# Altium PCB SVEC.pcbdoc (part 13 of 18)
Units mil, origin at the board's own origin, x right, y up, seen from the top; angles counter-clockwise.
Board outline 6349.25 x 9237.04 mil, 10 copper layers (Top Layer, L2 GND, L3, L4 PWR3.3, L5, L6, L7 GND, L8, L9 PWR, Bottom Layer), stack 58.268 mil thick; 906 components, 904 nets, 4753 pads, 3116 vias.
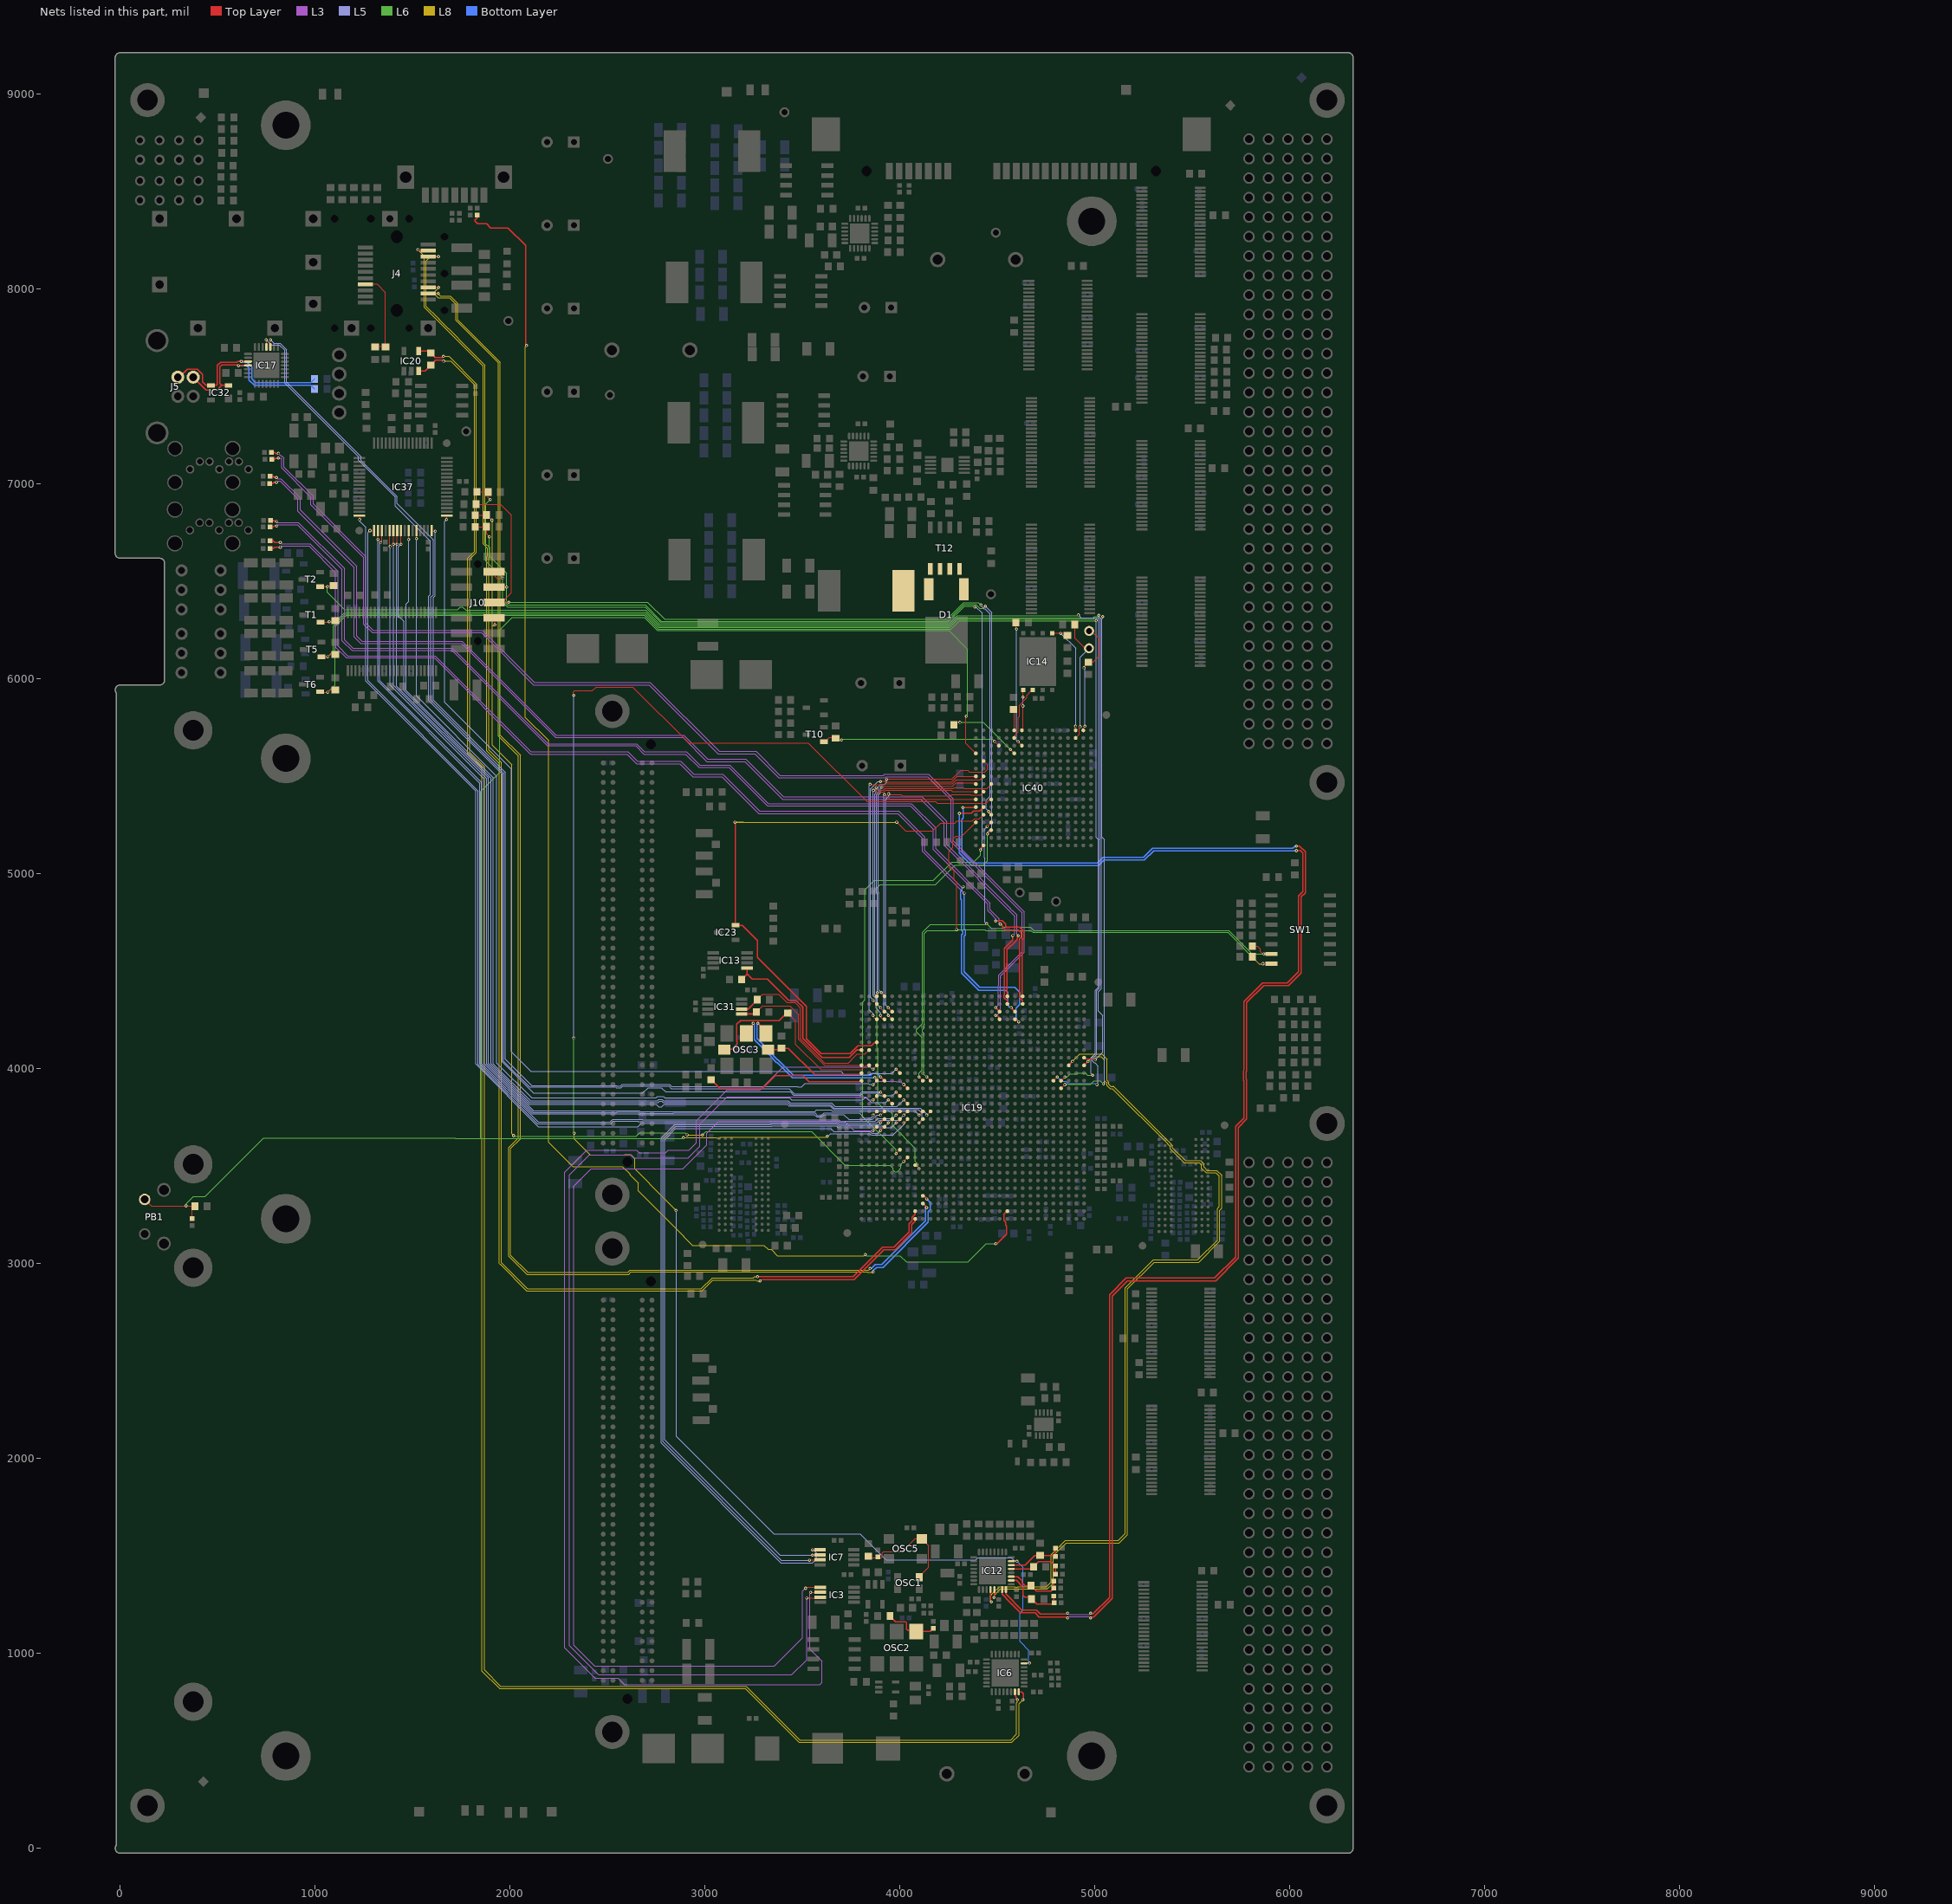
[diagram p21: the nets of this part, all layers, seen from the top]

## Via types
v1: diameter 15.75, hole 7.87, Top Layer to Bottom Layer, tented both sides, 2844 vias
v2: diameter 31.5, hole 15.75, Top Layer to Bottom Layer, tented both sides, 224 vias
v3: diameter 19.68, hole 7.87, Top Layer to Bottom Layer, tented both sides, 31 vias
v4: diameter 15.75, hole 7.87, Top Layer to Bottom Layer, 17 vias

## Nets (pads, with @x,y where several pads share a name; then routed paths per layer and width w, separated by ;. In a path a pad name is that pad's centre, name@x,y a point inside that pad or via, vN(x,y) a via of type N, cw(c..) or ccw(c..) an arc to the next point about the centre after c; other vN are vias at no path point) (continued)
PCIE_TX1_P: C348.2 IC19.B11 | length 7825
  Top Layer w6: C348.2@1830.69,8379.92 1830.69,8364.51 1820.19,8354.01 1820.19,8347.64 1833.19,8334.64 1879.49,8334.64 1900.59,8313.54 1988.79,8313.54 2079.69,8222.64 2079.69,8167.64 2080.69,8166.64 2080.69,7713.64 v1(2084.69,7709.64) ; v1(4491.69,3102.39) 4497.44,3102.39 4545.69,3150.64 4545.69,3193.84 4541.53,3198 4541.53,3211.83 4536.85,3216.51 4536.72,3216.51 4536.72,3219.61 4533.88,3222.45 4533.88,3252.17 IC19.B11@4550.72,3269.01
  L6 w4: v1(3821.69,3046.51) 3827.56,3040.64 4000.83,3040.64 4032.83,3008.64 4348.69,3008.64 4442.44,3102.39 v1(4491.69,3102.39)
  L8 w4: v1(2084.69,7709.64) 2079.25,7704.2 2079.25,5802.64 2198.55,5683.34 2198.55,3621.77 2322.69,3497.64 2576.66,3497.64 2615.17,3459.13 2615.17,3456.3 2658.07,3413.4 2658.07,3372.23 2891.17,3139.13 ; 2889.76,3139.71 2935.33,3094.14 3302.33,3094.14 3323.83,3072.64 3339.83,3072.64 3371.83,3040.64 3815.81,3040.64 v1(3821.69,3046.51)
PLL20DAC_DIN: IC3.7 IC19.U28 | length 5950.6
  Top Layer w4: v1(3521.55,1285.51) 3588.24,1285.51 IC3.7@3590.94,1288.21 ; v1@3863.55,3840.51 3863.55,3841.69 IC19.U28@3881.43,3859.56
  L3 w4: v1(3521.55,1285.51) 3521.55,967.51 3445.55,891.51 2453.55,891.51 2304.55,1040.51 2304.55,3455.51 2407.67,3558.62 2620.38,3558.62 2636.5,3542.51 2912.55,3542.51 2972.68,3602.63 2972.68,3715.63 3112.55,3855.51 3823.55,3855.51 3838.55,3840.51 v1@3863.55,3840.51
  other v1: 3861.74,3839.88
PLL20DAC_SCLK: IC3.6 IC19.AA28 | length 6296.1
  Top Layer w4: v1(3541.55,1313.51) 3541.85,1313.8 IC3.6@3590.94,1313.8 ; v1@3860.55,3996.51 3860.55,3995.51 3861.55,3994.51 3861.55,3997.17 IC19.AA28@3881.43,4017.04
  L3 w4: v1@3538.55,1311.51 3538.55,1021.51 3600.43,959.63 3600.43,850.76 3589.3,839.63 2587.05,839.63 2554.3,872.38 2436.66,872.38 2280.55,1028.49 2280.55,3467.66 2394.24,3581.34 2649.64,3581.34 2661.97,3569.01 2798.75,3569.01 2803.44,3573.69 2803.44,3574.04 2811.57,3582.17 2917.82,3582.17 2955.68,3620.03 2955.68,3733.63 3112.55,3890.51 3282.55,3890.51 3399.55,4007.51 3846.55,4007.51 3857.55,3996.51 v1@3860.55,3996.51
  other v1: 3861.74,3997.36
PLL20DAC_SYNC_N: IC3.5 IC19.N28 | length 5725.5
  Top Layer w5: v1(3515.55,1334.51) 3520.44,1339.39 IC3.5@3590.94,1339.39 ; v1@3860.55,3681.51 3860.85,3681.51 IC19.N28@3881.43,3702.08
  L3 w5: v1(3515.55,1334.51) 3500.55,1319.51 3500.55,1080.51 3355.55,935.51 2433.55,935.51 2327.55,1041.51 2327.55,3398.51 2415.99,3486.94 2885.99,3486.94 3008.55,3609.51 3008.55,3668.51 3069.55,3729.51 3715.55,3729.51 3763.55,3681.51 v1@3860.55,3681.51
  other v1: 3861.74,3682.4
PLL25DAC_DIN: IC7.7 IC19.P25 | length 3870
  Top Layer w4: v1(3535.55,1478.51) 3537.25,1480.21 IC7.7@3589.94,1480.21
  Top Layer w5: 3989.55,3723.51 3999.54,3733.49 IC19.P25@3999.54,3741.45
  L5 w4: v1(3535.55,1478.51) 3391.55,1478.51 2784.55,2085.51 2784.55,3639.13 2849.05,3703.63 3341.69,3703.63 3344.44,3706.38 3673.3,3706.38 3682.04,3697.64 3955.73,3697.64 v1(3979.85,3721.77)
PLL25DAC_SCLK: IC7.6 IC19.N27 | length 3759.4
  Top Layer w4: v1(3551.55,1504.51) 3588.65,1504.51 IC7.6@3589.94,1505.8
  Top Layer w5: v1(3901.11,3682.4) IC19.N27@3920.8,3702.08
  L5 w4: v1(3551.55,1504.51) 3383.55,1504.51 2792.55,2095.51 2792.55,3635.82 2850.24,3693.51 3645.42,3693.51 3660.29,3678.63 3845.89,3678.63 3856,3668.52 3886.57,3668.52 3900.44,3682.39 v1(3901.11,3682.4)
PLL25DAC_SYNC_N: IC7.5 IC19.P26 | length 3950.9
  Top Layer w4: v1(3551.69,1531.64) 3551.94,1531.39 IC7.5@3589.94,1531.39 ; v1@3942.55,3722.51 3960.17,3740.12 IC19.P26@3960.17,3741.45
  L5 w4: v1(3551.69,1531.64) 3554.69,1531.64 3570.69,1515.64 3570.69,1484.64 3550.68,1464.63 3497.43,1464.63 3496.55,1465.51 3389.55,1465.51 2775.55,2079.51 2775.55,3644.51 2843.68,3712.63 3339.37,3712.63 3341.12,3714.38 3676.61,3714.38 3685.35,3705.64 3925.69,3705.64 v1@3942.55,3722.51
  other v1: 3940.48,3721.77
PLL_2AFPGA_N: IC12.28 IC19.AA1 | length 4225.5
  Top Layer w6: IC12.28@4464.71,1327.55 4463.68,1326.51 4463.68,1269.38 v1(4468.55,1264.51) ; IC19.AA1@4944.42,4017.04 v1(4964.11,4036.73)
  L8 w4: v1(4468.55,1264.51) 4464.68,1268.38 4464.68,1296.63 4478.21,1310.16 4478.21,1310.22 4510.49,1342.51 4588.93,1342.51 4590.81,1340.63 4603.3,1340.63 4605.17,1342.51 4751.55,1342.51 4775.55,1366.51 4775.55,1506.51 4848.55,1579.51 5120.55,1579.51 5155.55,1614.51 5155.55,2875.48 5299.58,3019.51 5527.58,3019.51 5628.04,3119.96 5628.04,3282.64 5638.43,3293.03 5638.43,3447.66 5619.58,3466.51 5570.58,3466.51 5547.55,3489.54 5547.55,3505.54 5536.58,3516.51 5458.58,3516.51 5386.38,3588.71 5386.43,3588.76 5386.43,3600.25 5372.86,3613.82 5372.86,3614.21 5089.44,3897.63 5076.84,3897.63 5061.68,3912.79 5061.68,3925.39 5049.68,3937.39 5049.68,4043.38 5030.55,4062.51 4989.88,4062.51 v1(4964.11,4036.73)
PLL_2AFPGA_P: IC12.29 IC19.AA3 | length 4279.8
  Top Layer w6: v1(4482.55,1286.51) 4484.4,1288.35 IC12.29@4484.4,1327.55 ; IC19.AA3@4865.68,4017.04 v1(4885.37,4036.73)
  L8 w4: v1(4482.55,1286.51) 4484.55,1288.51 4484.55,1299.54 4490.21,1305.19 4490.21,1305.25 4498.34,1313.38 4498.4,1313.38 4515.52,1330.51 4583.96,1330.51 4585.84,1328.63 4608.27,1328.63 4610.15,1330.51 4756.52,1330.51 4784.04,1358.02 4787.55,1361.54 4787.55,1501.54 4853.52,1567.51 5125.52,1567.51 5167.55,1609.54 5167.55,2870.51 5304.55,3007.51 5532.55,3007.51 5640.04,3114.99 5640.04,3273.64 5650.43,3284.03 5650.43,3452.63 5624.55,3478.51 5575.55,3478.51 5559.55,3494.51 5559.55,3510.51 5541.55,3528.51 5463.55,3528.51 5398.43,3593.63 5398.43,3605.22 5384.86,3618.79 5384.86,3619.18 5093.86,3910.19 5093.3,3909.63 5081.81,3909.63 5071.69,3919.75 5071.69,3929.64 5061.68,3939.65 5061.68,4048.35 5061.55,4048.48 5035.52,4074.51 4923.14,4074.51 v1(4885.37,4036.73)
PLL_2SFPGA_N: IC12.31 IC40.F16 | length 7399.4
  Top Layer w6: v1(4322.55,5339.51) 4386.7,5339.51 IC40.F16@4389.28,5342.08 ; IC12.31@4523.77,1327.55 4523.77,1304.49 4543.65,1284.61 4543.65,1282.57 4617.72,1208.51 4692.82,1208.51 4713.82,1187.51 4855.68,1187.51 v1(4860.55,1182.63) ; v1(4977.55,1182.63) 4982.43,1187.51 4994.35,1187.51 5088.55,1281.71 5088.55,2833.51 5166.55,2911.51 5619.35,2911.51 5731.45,3023.61 5735.55,3027.71 5735.55,3698.51 5778.15,3741.11 5778.15,3943.87 5775.68,3946.34 5775.68,3959.67 5775.72,3959.71 5775.72,3971.3 5775.68,3971.34 5775.68,3983.67 5778.15,3986.14 5778.15,4339.11 5865.55,4426.51 5992.35,4426.51 6057.55,4491.71 6057.55,4880.71 6079.65,4902.81 6079.65,5112.2 6049.6,5142.25 v1(6033.55,5142.25)
  L3 w4: v1(4860.55,1182.63) 4866.43,1188.51 4973.55,1188.51 4977.55,1184.51 v1(4977.55,1182.63)
  Bottom Layer w6: v1(4322.55,5339.51) 4323.43,5338.63 4323.43,5285.51 4318.55,5280.63 4318.55,5112.51 4375.55,5055.51 5012.76,5055.51 5041.31,5084.06 5248.43,5084.06 5295.75,5131.38 6014.25,5131.38 6016.14,5133.27 6017,5133.27 6025.99,5142.25 v1(6033.55,5142.25)
PLL_2SFPGA_P: IC12.32 IC40.F15 | length 7381.7
  Top Layer w6: v1(4304.55,5309.51) 4305.43,5310.38 4366.43,5310.38 4377.55,5321.51 4408.07,5321.51 IC40.F15@4428.65,5342.08 ; IC12.32@4543.45,1327.55 4543.45,1304.61 4583.68,1264.38 4583.68,1262.34 4623.52,1222.51 4699.82,1222.51 4720.82,1201.51 4855.68,1201.51 v1(4860.55,1206.38) ; v1(4977.55,1206.38) 4982.43,1201.51 4988.55,1201.51 5074.55,1287.51 5074.55,2839.3 5160.76,2925.51 5613.55,2925.51 5721.55,3033.51 5721.55,3704.3 5764.15,3746.91 5764.15,3938.07 5761.68,3940.55 5761.68,3965.47 5761.72,3965.51 5761.68,3965.55 5761.68,3989.47 5764.15,3991.94 5764.15,4344.91 5859.75,4440.51 5986.55,4440.51 6043.55,4497.51 6043.55,4886.51 6065.65,4908.61 6065.65,5106.41 6053.55,5118.51 v1(6033.55,5118.51)
  L3 w4: v1(4860.55,1206.38) 4866.43,1200.51 4973.55,1200.51 4977.55,1204.51 v1(4977.55,1206.38) ; v1@6033.55,5117.51 v1(6033.55,5118.51)
  Bottom Layer w6: v1@4304.55,5308.51 4304.55,5106.71 4369.76,5041.51 5018.55,5041.51 5047.11,5070.06 5254.23,5070.06 5301.55,5117.38 6032.43,5117.38 v1(6033.55,5118.51) ; v1(4304.55,5309.51) 4305.55,5309.51 v1@4305.05,5309.01
PLL_CE: IC6.7 IC12.7 IC40.G14 | length 9211
  Top Layer w5: v1(2326.55,5915.51) 2325.55,5916.51 2325.55,5933.51 2330.55,5938.51 2423.55,5938.51 2442.68,5957.63 2629.82,5957.63 2916.94,5670.51 3530.09,5670.51 3830.39,5370.2 4182.93,5370.2 4190.63,5362.51 4441.23,5362.51 4460.17,5381.45 IC40.G14@4468.02,5381.45 ; IC12.7@4571.01,1473.21 4599.85,1473.21 v1(4600.55,1472.51) ; IC6.7@4637.01,948.72 4638.8,950.51 v1(4664.55,950.51)
  L6 w5: v1(2327.55,4156.51) 2327.55,3669.51 v1(2328.55,3668.51)
  L5 w5: v1(2326.55,5915.51) 2326.55,4157.51 v1(2327.55,4156.51) ; v1(2851.55,3272.51) 2852.55,3271.51 2852.55,2112.51 3352.55,1612.51 3795.23,1612.51 3928.6,1479.13 4388.31,1479.13 4400.82,1491.64 4571.42,1491.64 4590.55,1472.51 v1(4600.55,1472.51)
  L8 w5: v1(2328.55,3668.51) 2328.55,3640.51 2410.59,3558.47 2587.45,3558.47 2588.1,3559.12 2618,3559.12 2640.16,3536.97 2640.16,3485.9 2787.55,3338.51 2787.55,3336.51 v1(2851.55,3272.51)
  Bottom Layer w5: v1(4600.55,1472.51) 4630.55,1442.51 4630.55,1222.51 4615.55,1207.51 4615.55,1061.51 4660.55,1016.51 4660.55,954.51 v1(4664.55,950.51)
PLL_FMC1_2P2_N: C54.2 C408.2 IC12.5 R122.2 | length 293.2
  Top Layer w6: IC12.5@4571.01,1433.84 4674.4,1433.84 R122.2@4685.06,1444.51 4711.74,1471.19 4775.15,1471.19 C54.2@4796.84,1449.51 4796.84,1406.77 C408.2@4796.97,1406.64
PLL_FMC1_2P2_P: C36.2 C407.2 IC12.6 R36.1 | length 289.4
  Top Layer w6: IC12.6@4571.01,1453.53 4642.68,1453.53 4692.16,1503.01 R36.1@4719.55,1503.01 4792.33,1503.01 C36.2@4796.84,1498.51 4796.97,1498.64 C407.2@4796.97,1539.64
PLL_FMC2_2P2_N: C213.2 C392.2 IC12.2 R135.1 | length 334.3
  Top Layer w6: IC12.2@4571.01,1374.79 4598.31,1374.79 4612.43,1360.67 4612.43,1357.1 4631.69,1337.84 4631.69,1297.64 4640.69,1288.64 4665.92,1288.64 R135.1@4675.06,1279.51 4701.74,1252.82 4785.87,1252.82 4789.84,1256.79 C213.2@4789.84,1294.51
PLL_FMC2_2P2_P: C74.2 C386.2 IC12.3 R138.2 | length 297.8
  Top Layer w6: IC12.3@4571.01,1394.47 4605.46,1394.47 4626.43,1373.51 4626.43,1362.9 4641.82,1347.51 R138.2@4673.06,1347.51 4699.74,1320.82 4775.15,1320.82 C74.2@4789.84,1335.51 4789.84,1371.51 C386.2@4789.97,1371.64
PLLDAC_OUT1: C26.2 OSC1.1 OSC5.1 R15.1 | length 581.8
  Top Layer w4.75: R15.1@3833.69,1492.14 3885.7,1492.14 C26.2@3886.55,1491.29 ; 3867.33,1491.29 C26.2@3886.55,1491.29 ; OSC1.1@4099.85,1391.53 4099.85,1395.81 4147.15,1443.1 4147.15,1554.23 OSC5.1@4113.2,1588.18 4077.23,1588.18 4011.55,1522.51 3916.55,1522.51 3909.96,1515.91 3909.96,1494.91 3906.33,1491.29 C26.2@3886.55,1491.29
PLLDAC_OUT2: C23.2 OSC2.1 R9.1 | length 281.7
  Top Layer w6: R9.1@3949.05,1192 3978.55,1162.51 4030.55,1162.51 4034.55,1158.51 4034.55,1124.51 4041.55,1117.51 4078.73,1117.51 OSC2.1@4083.55,1112.68 4155.95,1112.68 C23.2@4171.55,1128.29
PROG_TCK: IC19.H23 IC40.C14 J10.6 R246.2 R320.1 | length 6654.3
  Top Layer w4: J10.6@1918.22,6470.25 1983.29,6470.25 v1(1983.55,6470.51)
  Top Layer w5: R246.2@1822.05,6779.51 1879.06,6779.51 R320.1@1880.06,6780.51 1880.06,6743 v1(1894.55,6728.51) ; IC19.H23@4078.28,3505.23 4081.83,3505.23 4093.55,3493.51 ; v1(4448.33,5204.28) IC40.C14@4468.02,5223.97
  L6 w4: v1(1894.55,6728.51) 1894.55,6629.51 1983.55,6540.51 v1(1983.55,6470.51) 1983.55,6402.13 1979.68,6398.25 1979.68,6386.76 1987.81,6378.63 2693.31,6378.63 2776.44,6295.51 4241.87,6295.51 4328.83,6382.47 4389.22,6382.47 4405.17,6366.51 4405.55,6366.51 4409.55,6362.51 4427.55,6362.51 v1(4437.55,6372.51) ; 4093.55,3493.51 4093.55,3509.7 4078.55,3524.7 4078.55,3591.51 3961.55,3708.51 3961.55,3766.51 3938.55,3789.51 3920.43,3789.51 3886.29,3823.64 3886.29,4105.91 3882.56,4109.64 3882.56,4352.12 3864.55,4370.13 3864.55,4910.51 3897.55,4943.51 4181.93,4943.51 4282.93,5044.51 4427.55,5044.51 4448.33,5065.28 v1(4448.33,5204.28)
  L5 w4: v1(4437.55,6372.51) 4470.21,6339.85 4470.21,5235.16 4448.33,5213.28 v1(4448.33,5204.28)
  other v1: 4097.96,3485.55
PROG_TDI: IC19.J24 J10.10 R248.2 R319.1 | length 5528.9
  Top Layer w5: R248.2@1822.05,6839.51 1879.06,6839.51 R319.1@1880.06,6840.51 v1(1906.81,6813.76) ; J10.10@1918.22,6312.77 1923.55,6307.43 1923.55,6277.51 v1(1922.55,6276.51) ; v1@4020.55,3524.51 4019.63,3524.51 v1(4019.22,3524.92) IC19.J24@4038.91,3544.6
  L6 w4: v1(2018.55,3656.51) 2022.21,3652.85 2645.89,3652.85 2663.8,3670.75 2898.31,3670.75 v1(2908.55,3660.51)
  L6 w5: v1(2986.55,3659.51) 3003.93,3676.88 3545.85,3676.88 3718.23,3504.51 3949.23,3504.51 3965.48,3488.25 3965.48,3479.59 3973.9,3471.17 3985.81,3471.17 3996.85,3482.22 3996.85,3483.48 4004.85,3491.47 4004.85,3508.8 v1@4020.55,3524.51
  L8 w4: 1939.55,5628.51 2008.55,5559.51 2008.55,3666.51 v1(2018.55,3656.51)
  L8 w5: v1(1906.81,6813.76) 1908.93,6811.64 1908.93,6273.51 ; v1(1922.55,6276.51) 1919.55,6273.51 1908.93,6273.51 ; 1939.55,5628.51 1908.93,5659.13 1908.93,6273.51 ; v1(2908.55,3660.51) 2909.55,3659.51 v1(2986.55,3659.51)
PROG_TDO: IC40.E14 J10.8 R247.2 | length 4362.3
  Top Layer w5: R247.2@1826.05,6895.51 1951.41,6895.51 2006.55,6840.36 2006.55,6442.51 1961.55,6397.51 J10.8@1961.55,6391.51 ; J10.8@1918.22,6391.51 J10.8@1961.55,6391.51 ; v1(1993.55,6392.51) 1992.55,6391.51 J10.8@1961.55,6391.51 ; v1(4455.55,5318.51) 4468.02,5306.04 IC40.E14@4468.02,5302.71
  L6 w4: v1(1993.55,6392.51) 1994.43,6393.38 2705.7,6393.38 2792.73,6306.35 4241.4,6306.35 4326.55,6391.51 4402.55,6391.51 v1(4415.55,6378.51)
  L5 w4: v1(4415.55,6378.51) 4415.55,6374.89 4431.81,6358.63 4435.43,6358.63 4462.21,6331.85 4462.21,5397.54 4441.68,5377.01 4441.68,5332.38 v1(4455.55,5318.51)
PROG_TMS: IC19.K25 IC40.A15 J10.4 R218.1 R243.2 | length 6697.5
  Top Layer w4: J10.4@1918.22,6548.99 1924.55,6542.65 1924.55,6524.51 1933.55,6515.51 1962.55,6515.51 v1(1963.55,6516.51)
  Top Layer w5: R243.2@1831.05,6959.51 1886.06,6959.51 R218.1@1888.06,6957.51 1888.06,6930 v1(1899.05,6919.01) ; v1@3983.55,3569.51 3998.02,3583.97 IC19.K25@3999.54,3583.97 ; v1(4412.55,5121.51) 4412.55,5121.95 4408.96,5125.54 IC40.A15@4428.65,5145.23
  L6 w4: v1(1963.55,6516.51) 1963.55,6392.51 1971.68,6384.38 1971.68,6383.45 1987.62,6367.51 2693.12,6367.51 2773.12,6287.51 4245.18,6287.51 4331.14,6373.47 4379.6,6373.47 4383.55,6369.51 v1(4383.55,6368.51) ; v1(3979.85,3564.29) 3979.85,3583.91 3809.68,3754.08 3809.68,4341.77 3820.55,4352.64 3820.55,4916.51 3869.55,4965.51 4171.55,4965.51 4266.55,5060.51 4377.55,5060.51 4412.55,5095.51 v1(4412.55,5121.51)
  L6 w5: v1(1899.05,6919.01) 1876.55,6896.51 1876.55,6603.51 v1(1963.55,6516.51)
  L5 w4: v1(4383.55,6368.51) 4383.55,6371.51 4385.55,6373.51 4422.84,6336.22 4422.84,5131.79 v1(4412.55,5121.51)
PUSHBUTTON: C279.2 IC19.P24 IC40.N16 PB1.2 R86.2 | length 9942
  Top Layer w4: v1@4338.55,5806.51 v1(4340.69,5808.64)
  Top Layer w5: PB1.2@126.34,3329.09 160.92,3294.51 R86.2@384.06,3294.51 370.55,3281 C279.2@370.55,3230.22 ; 4026.55,3725.51 4038.91,3737.86 IC19.P24@4038.91,3741.45 ; v1@4338.55,5806.51 4338.55,5668.4 IC40.N16@4389.28,5617.67
  L6 w4: v1(338.55,3296.51) 339.55,3297.51 339.55,3308.51 375.55,3344.51 436.55,3344.51 736.68,3644.63 1717.55,3644.63 1719.55,3642.63 1850.55,3642.63 ; v1(2889.55,3645.51) 2886.68,3642.63 1850.55,3642.63 ; v1(4340.69,5808.64) 4346.69,5814.64 4346.69,6151.64 4250.82,6247.51 2756.55,6247.51 2688.55,6315.51 2011.55,6315.51 1947.43,6251.38 1947.43,5519.38 1849.55,5421.51 1849.55,3643.63 1850.55,3642.63
  L5 w4: v1(3626.55,3653.51) 3629.55,3653.51 3643.55,3667.51 3845.7,3667.51 3852.68,3660.52 3965.57,3660.52 4019.22,3714.18 v1(4019.22,3721.77)
  L8 w4: v1(2889.55,3645.51) 3058.55,3645.51 3059.43,3644.63 3078.3,3644.63 3081.3,3647.63 3319.75,3647.63 3321.49,3649.38 3341.61,3649.38 3343.36,3647.63 3620.68,3647.63 v1(3626.55,3653.51)
RST_N: IC19.AD28 IC23.2 IC40.E15 | length 3028.7
  Top Layer w5: v1(3983.55,5264.51) 4029.55,5218.51 4166.55,5218.51 4208.55,5260.51 4282.55,5260.51 4292.18,5270.13 4371.54,5270.13 4382.09,5280.68 4406.62,5280.68 IC40.E15@4428.65,5302.71
  Top Layer w6: v1(3153.55,5264.51) 3156.83,5261.23 IC23.2@3156.83,4735.91 3191.15,4735.91 3269.55,4657.51 3269.55,4569.97 3520.55,4318.97 3520.55,4152.61 3595.4,4077.77 3745.26,4077.77 3784,4116.51 3852.55,4116.51 3871.2,4135.15 IC19.AD28@3881.43,4135.15
  L8 w5: 3198.55,5264.51 v1(3983.55,5264.51)
  L8 w6: v1(3153.55,5264.51) 3198.55,5264.51
RSVD0: IC19.AG26 IC40.G16 | length 1660.7
  Top Layer w5: v1(3920.55,5405.51) 3920.55,5410.18 3949.28,5381.45 IC40.G16@4389.28,5381.45 ; v1@3938.55,4272.51 3940.04,4272.51 v1(3940.48,4272.95) IC19.AG26@3960.17,4253.26
  L5 w4: v1(3920.55,5405.51) 3917.55,5402.51 3917.55,4402.13 3918.43,4401.25 3918.43,4300.63 3940.48,4278.58 v1(3940.48,4272.95) 3940.04,4272.51 v1@3938.55,4272.51
RSVD1: IC19.AH26 IC40.H15 | length 1638.9
  Top Layer w5: v1(3940.48,4312.32) IC19.AH26@3960.17,4292.63 ; v1(3941.55,5409.51) 3945.36,5405.7 4005.34,5405.7 4012.54,5398.51 4259.36,5398.51 4266.56,5405.7 4360.36,5405.7 4361.58,5404.48 4412.31,5404.48 IC40.H15@4428.65,5420.82
  L5 w4: v1(3940.48,4312.32) 3926.55,4326.25 3926.55,5381.51 3941.55,5396.51 v1(3941.55,5409.51)
RSVD2: IC19.AG27 IC40.H16 | length 1732.1
  Top Layer w5: v1(3863.55,5427.51) 3863.93,5427.88 3871.68,5420.13 3917.24,5420.13 3924.98,5427.88 4263.26,5427.88 4269.64,5421.51 4388.59,5421.51 IC40.H16@4389.28,5420.82 ; v1@3900.55,4265.51 3912.8,4253.26 IC19.AG27@3920.8,4253.26
  L5 w4: v1(3863.55,5427.51) 3861.81,5425.76 3861.81,4377.07 3877.05,4361.83 3877.05,4309.82 3901.11,4285.76 v1(3901.11,4272.95)
RSVD3: IC19.AH27 IC40.J14 | length 1782.5
  Top Layer w5: v1(3877.55,5442.51) 3877.55,5438.51 3886.93,5429.13 3913.51,5429.13 3922.68,5438.31 4273.71,5438.31 4276.91,5441.51 4326.23,5441.51 4329.6,5438.13 4445.96,5438.13 IC40.J14@4468.02,5460.19 ; v1@3903.55,4305.51 3916.43,4292.63 IC19.AH27@3920.8,4292.63
  L5 w4: v1(3877.55,5442.51) 3877.55,5415.27 3870.31,5408.02 3870.31,4379.89 3885.55,4364.64 3885.55,4327.88 v1(3901.11,4312.32)
RSVD4: IC19.AK27 IC40.J16 | length 1591.9
  Top Layer w5: v1@3904.55,4395.51 v1(3904.55,4391.06) 3904.55,4387.62 IC19.AK27@3920.8,4371.37 ; v1(3907.55,5443.51) 3913.18,5449.13 4269.36,5449.13 4287.11,5466.88 4382.59,5466.88 IC40.J16@4389.28,5460.19
  L5 w4: v1(3904.55,4391.06) 3891.7,4403.92 3891.7,4902.74 3888.68,4905.76 3888.68,5403.77 3899.55,5414.64 3899.55,5435.51 v1(3907.55,5443.51)
RSVD5: IC19.AG28 IC40.K15 | length 1815.8
  Top Layer w5: v1(3846.55,5458.51) 3846.93,5458.13 3921.55,5458.13 3924.55,5461.13 4268.64,5461.13 4290.01,5482.51 4411.59,5482.51 IC40.K15@4428.65,5499.56 ; 3865.55,4264.51 3876.8,4253.26 IC19.AG28@3881.43,4253.26
  L5 w4: v1(3846.55,5458.51) 3841.68,5453.63 3841.68,4301.65 3861.74,4281.58 v1(3861.74,4272.95)
RSVD6: IC19.AJ28 IC40.K16 | length 1699.6
  Top Layer w5: v1@3862.55,4352.51 3862.55,4351.51 3881.43,4332.63 IC19.AJ28@3881.43,4332 ; v1(3900.55,5472.51) 3899.55,5471.51 3894.5,5471.51 3897.87,5474.88 3920.85,5474.88 3925.6,5470.13 4264.91,5470.13 4294.34,5499.56 IC40.K16@4389.28,5499.56
  L5 w4: v1@3862.55,4352.51 3849.68,4365.38 3849.68,5435.49 3886.7,5472.51 v1(3900.55,5472.51)
  other v1: 3861.74,4351.69
RSVD7: IC19.AK28 IC40.M15 | length 1758.3
  Top Layer w5: v1@3880.55,4388.51 v1@3881.43,4387.63 ; IC19.AK28@3881.43,4371.37 v1@3881.43,4387.63 ; v1@3884.18,4396.02 3881.43,4393.26 v1@3881.43,4387.63 ; v1(3931.55,5484.51) 3932.55,5485.51 4267.55,5485.51 4312.55,5530.51 4348.55,5530.51 4356.47,5522.59 4435.42,5522.59 4448.55,5535.73 4448.55,5558.4 IC40.M15@4428.65,5578.3
  L5 w4: v1@3881.43,4387.63 3886.43,4392.63 3883.7,4392.63 3883.7,4899.43 3879.69,4903.44 3879.69,5406.09 3891.43,5417.83 3891.43,5447 3903.06,5458.63 3921.68,5458.63 3931.55,5468.51 v1(3931.55,5484.51)
  other v1: 3884.18,4391.06
SATA0_RX_N: C262.1 IC19.AH12 | length 5766.1
  Top Layer w6: C262.1@777.27,7125.51 792.55,7125.51 800.55,7133.51 810.55,7133.51 v1(811.55,7132.51) ; v1@4498.55,4309.51 4498.55,4305.43 IC19.AH12@4511.35,4292.63
  L3 w4: v1(811.55,7132.51) 824.55,7132.51 829.55,7127.51 829.55,7080.51 978.55,6931.51 978.55,6893.13 1249.55,6622.13 1249.55,6280.51 1293.55,6236.51 1853.17,6236.51 2120.55,5969.12 2713.94,5969.12 3067.55,5615.51 3256.55,5615.51 3379.05,5493.01 3920.43,5493.01 3925.81,5498.38 4141.68,5498.38 4261.55,5378.51 4261.55,5164.51 4586.68,4839.38 4587.3,4839.38 4595.43,4831.25 4595.43,4830.63 4626.55,4799.51 4626.55,4600.51 4505.69,4479.64 4505.69,4463.74 4506.43,4463 4506.43,4451.51 4505.69,4450.77 4505.69,4439.99 4506.43,4439.25 4506.43,4427.76 4505.54,4426.87 4505.54,4326.19 v1(4491.66,4312.32)